# Altium PCB UCL-MB-802154RT-1.PcbDoc (part 2 of 3) (continued)
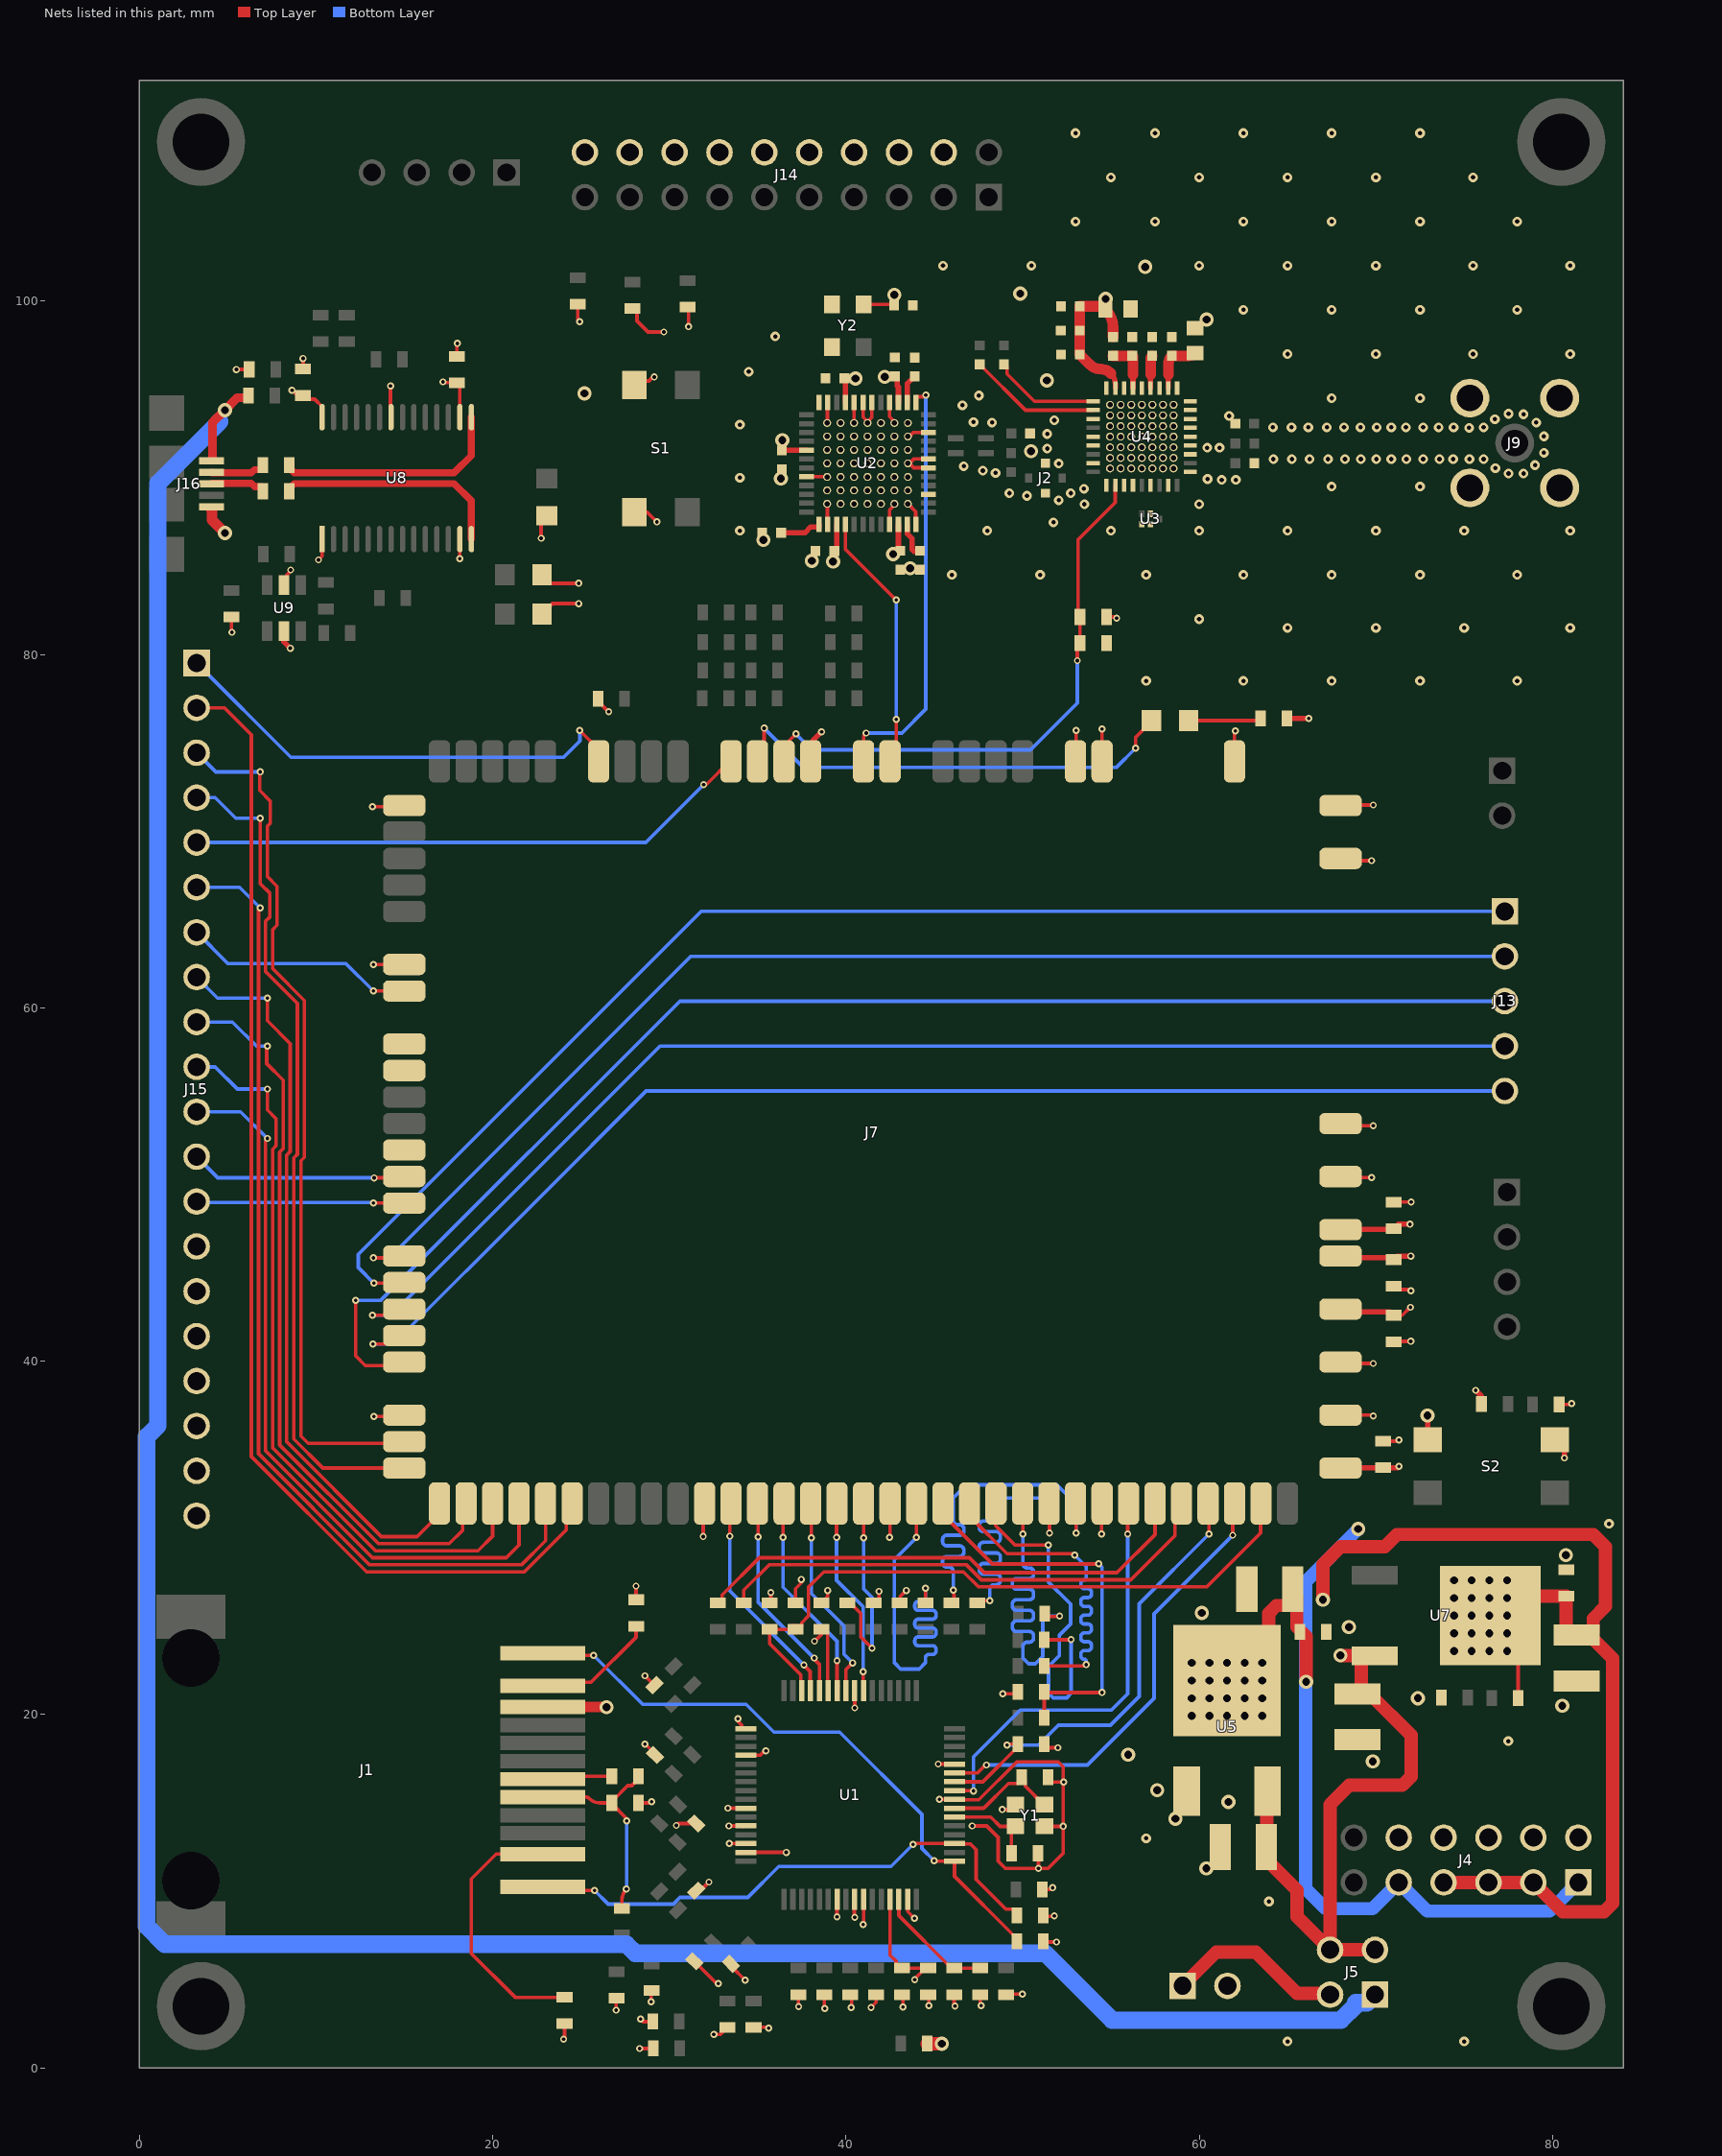
[diagram p4: the nets of this part, all layers, seen from the top]
## Nets (pads, with @x,y where several pads share a name; then routed paths per layer and width w, separated by ;. In a path a pad name is that pad's centre, name@x,y a point inside that pad or via, vN(x,y) a via of type N, cw(c..) or ccw(c..) an arc to the next point about the centre after c; other vN are vias at no path point) (continued)
ETH_MII_COL: J7.59 R33.1 | length 29.1
  Top Layer w0.2: R33.1@34.212,26.325 34.212,27.037 35.65,28.475 46.825,28.475 47.669,27.631 56.131,27.631 58.625,30.125 58.625,31.575 J7.59@59,31.95
ETH_MII_CRS: J7.60 R29.1 | length 29
  Top Layer w0.2: R29.1@32.742,26.325 32.8,26.325 33,26.525 33,26.775 35.1,28.875 46.991,28.875 47.834,28.031 55.347,28.031 57.5,30.184 J7.60@57.5,31.95
ETH_MII_RX_CLK: J7.63 R12.1 | length 20.8
  Top Layer w0.2: R12.1@45.974,26.325 46.125,26.476 46.125,26.75 46.113,26.762 46.113,27.012 v1(46.075,27.05) ; J7.63@53,31.95 53.025,31.925 v1(53.025,30.275)
  Bottom Layer w0.2: v1(46.075,27.05) 46.075,28.05 46.075,28.11 ccw(c45.835,28.11) 45.835,28.35 45.715,28.35 cw(c45.715,28.59) 45.475,28.59 45.475,28.71 cw(c45.715,28.71) 45.715,28.95 46.075,28.95 46.435,28.95 ccw(c46.435,29.19) 46.675,29.19 46.675,29.31 ccw(c46.435,29.31) 46.435,29.55 46.075,29.55 45.715,29.55 cw(c45.715,29.79) 45.475,29.79 45.475,29.91 cw(c45.715,29.91) 45.715,30.15 46.075,30.15 46.435,30.15 ccw(c46.435,30.39) 46.675,30.39 46.675,30.51 ccw(c46.435,30.51) 46.435,30.75 46.315,30.75 cw(c46.315,30.99) 46.075,30.99 46.075,31.1 46.075,32.25 46.825,33 51.95,33 53.025,31.925 v1(53.025,30.275)
ETH_MII_RX_DV: J7.64 R18.1 | length 19.9
  Top Layer w0.2: R18.1@47.445,26.325 47.57,26.45 v1(48.15,26.45) ; J7.64@51.5,31.95 51.525,31.925 v1(51.525,30.275)
  Bottom Layer w0.2: v1(48.15,26.45) 48.15,26.75 48.15,27.11 cw(c48.39,27.11) 48.39,27.35 48.51,27.35 ccw(c48.51,27.59) 48.75,27.59 48.75,27.71 ccw(c48.51,27.71) 48.51,27.95 48.15,27.95 47.79,27.95 cw(c47.79,28.19) 47.55,28.19 47.55,28.31 cw(c47.79,28.31) 47.79,28.55 48.15,28.55 48.51,28.55 ccw(c48.51,28.79) 48.75,28.79 48.75,28.91 ccw(c48.51,28.91) 48.51,29.15 48.15,29.15 47.79,29.15 cw(c47.79,29.39) 47.55,29.39 47.55,29.51 cw(c47.79,29.51) 47.79,29.75 48.15,29.75 48.51,29.75 ccw(c48.51,29.99) 48.75,29.99 48.75,30.11 ccw(c48.51,30.11) 48.51,30.35 48.15,30.35 47.79,30.35 cw(c47.79,30.59) 47.55,30.59 47.55,30.71 cw(c47.79,30.71) 47.79,30.95 48.15,30.95 48.51,30.95 ccw(c48.51,31.19) 48.75,31.19 48.75,31.31 ccw(c48.51,31.31) 48.51,31.55 48.39,31.55 cw(c48.39,31.79) 48.15,31.79 48.15,31.95 48.45,32.25 51.075,32.25 51.525,31.8 v1(51.525,30.275)
ETH_MII_RXD0: J7.65 R17.1 | length 21
  Top Layer w0.2: J7.65@50,31.95 49.95,31.9 50.025,31.825 v1(50.025,30.225) ; R17.1@51.25,25.701 51.401,25.55 52.075,25.55 v1(52.1,25.575)
  Bottom Layer w0.2: v1(50.025,30.225) 50.025,28.7 50.025,28.54 ccw(c50.265,28.54) 50.265,28.3 50.385,28.3 cw(c50.385,28.06) 50.625,28.06 50.625,27.94 cw(c50.385,27.94) 50.385,27.7 50.025,27.7 49.665,27.7 ccw(c49.665,27.46) 49.425,27.46 49.425,27.34 ccw(c49.665,27.34) 49.665,27.1 50.025,27.1 50.385,27.1 cw(c50.385,26.86) 50.625,26.86 50.625,26.74 cw(c50.385,26.74) 50.385,26.5 50.025,26.5 49.665,26.5 ccw(c49.665,26.26) 49.425,26.26 49.425,26.14 ccw(c49.665,26.14) 49.665,25.9 50.025,25.9 50.385,25.9 cw(c50.385,25.66) 50.625,25.66 50.625,25.54 cw(c50.385,25.54) 50.385,25.3 50.025,25.3 49.665,25.3 ccw(c49.665,25.06) 49.425,25.06 49.425,24.94 ccw(c49.665,24.94) 49.665,24.7 50.025,24.7 50.385,24.7 cw(c50.385,24.46) 50.625,24.46 50.625,24.34 cw(c50.385,24.34) 50.385,24.1 50.265,24.1 ccw(c50.265,23.86) 50.025,23.86 50.025,23.5 50.025,23.2 50.35,22.875 50.725,22.875 51.15,23.3 51.15,25.375 51.35,25.575 v1(52.1,25.575)
ETH_MII_RXD1: J7.66 R16.1 | length 20.2
  Top Layer w0.2: J7.66@48.5,31.95 48.475,31.925 48.475,30.7 49.575,29.6 v1(51.45,29.6) ; R16.1@51.225,24.231 52.731,24.231 v1(52.75,24.25)
  Bottom Layer w0.2: v1(51.45,29.6) 51.45,27.525 52.725,26.25 52.725,25.125 52.075,24.475 52.075,23.325 51.475,22.725 51.475,21.2 51.725,20.95 52.5,20.95 52.75,21.2 v1(52.75,24.25)
ETH_MII_RXD2: J7.67 R15.1 | length 20.2
  Top Layer w0.2: J7.67@47,31.95 47.1,31.85 47.1,31.125 49.125,29.1 52.875,29.1 v1(52.95,29.025) ; R15.1@51.225,22.761 51.314,22.761 51.325,22.75 53.525,22.75 v1(53.6,22.825)
  Bottom Layer w0.2: v1(52.95,29.025) 53.6,28.375 53.6,28.125 53.6,27.725 cw(c53.5,27.725) 53.5,27.625 ccw(c53.5,27.425) 53.3,27.425 53.3,27.325 ccw(c53.5,27.325) 53.5,27.125 53.6,27.125 53.7,27.125 cw(c53.7,26.925) 53.9,26.925 53.9,26.825 cw(c53.7,26.825) 53.7,26.625 53.6,26.625 53.5,26.625 ccw(c53.5,26.425) 53.3,26.425 53.3,26.325 ccw(c53.5,26.325) 53.5,26.125 53.6,26.125 53.7,26.125 cw(c53.7,25.925) 53.9,25.925 53.9,25.825 cw(c53.7,25.825) 53.7,25.625 53.6,25.625 53.5,25.625 ccw(c53.5,25.425) 53.3,25.425 53.3,25.325 ccw(c53.5,25.325) 53.5,25.125 53.6,25.125 53.7,25.125 cw(c53.7,24.925) 53.9,24.925 53.9,24.825 cw(c53.7,24.825) 53.7,24.625 53.6,24.625 53.5,24.625 ccw(c53.5,24.425) 53.3,24.425 53.3,24.325 ccw(c53.5,24.325) 53.5,24.125 53.6,24.125 53.7,24.125 cw(c53.7,23.925) 53.9,23.925 53.9,23.825 cw(c53.7,23.825) 53.7,23.625 53.6,23.625 53.5,23.625 ccw(c53.5,23.425) 53.3,23.425 53.3,23.325 ccw(c53.5,23.325) 53.5,23.125 cw(c53.5,23.025) 53.6,23.025 v1(53.6,22.825)
ETH_MII_RXD3: J7.68 R14.1 R20.2 | length 22.7
  Top Layer w0.2: J7.68@45.5,31.95 45.5,31.325 48.3,28.525 54.3,28.525 v1(54.306,28.531) ; R14.1@51.225,19.82 R20.2@51.225,21.291 51.266,21.25 v1(54.5,21.25)
  Bottom Layer w0.2: v1(54.306,28.531) 54.5,28.338 v1(54.5,21.25)
ETH_MII_TX_CLK: J7.71 R25.1 | length 11.7
  Top Layer w0.2: R25.1@40.093,26.325 40.3,26.325 40.325,26.35 40.325,26.243 40.85,25.718 40.85,24.378 v1(41.477,23.751) ; v1(41,30) J7.71@41,31.95
  Bottom Layer w0.2: v1(41,30) 41,27.114 41.477,26.637 v1(41.477,23.751)
ETH_MII_TX_EN: J7.72 U1.39 | length 11.2
  Top Layer w0.2: v1(39.475,30.025) 39.475,31.925 J7.72@39.5,31.95 ; v1(40.975,22.425) 40.975,21.775 41,21.75 U1.39@41,21.35
  Bottom Layer w0.2: v1(39.475,30.025) 39.475,27.6 40.975,26.1 v1(40.975,22.425)
ETH_MII_TX_ER/I\N\T\: J7.56 R26.1 R27.2 U1.46 | length 37.7
  Top Layer w0.2: R26.1@37.003,24.825 R27.2@35.683,24.825 35.683,24.017 37.45,22.25 37.45,21.375 37.475,21.35 U1.46@37.5,21.35 ; R26.1@37.153,24.825 37.175,24.825 37.375,25.025 37.503,25.025 37.503,25.203 37.875,25.575 37.875,27.2 38.75,28.075 46.659,28.075 47.503,27.231 60.431,27.231 63.475,30.275 63.475,31.925 J7.56@63.5,31.95
  Top Layer w0.6: R26.1@37.003,24.825 R26.1@37.153,24.825
ETH_MII_TXD0: J7.73 U1.41 | length 11.7
  Top Layer w0.2: J7.73@38,31.95 38.05,31.9 v1(38.05,30) ; U1.41@40,21.35 40,22.55 v1(40.375,22.925)
  Bottom Layer w0.2: v1(38.05,30) 38.05,26.85 39.9,25 39.9,23.4 v1(40.375,22.925)
ETH_MII_TXD1: J7.74 U1.42 | length 11.9
  Top Layer w0.2: v1(36.45,30.025) 36.45,31.9 J7.74@36.5,31.95 ; U1.42@39.5,21.35 39.5,21.575 39.55,21.625 39.5,21.675 v1(39.5,23.05)
  Bottom Layer w0.2: v1(36.45,30.025) 36.45,27.2 39.5,24.15 v1(39.5,23.05)
ETH_MII_TXD2: J7.75 U1.44 | length 12
  Top Layer w0.2: J7.75@35,31.95 35.025,31.925 v1(35.025,30.05) ; v1(38.2,23.2) 38.2,23.146 38.5,22.846 U1.44@38.5,21.35
  Bottom Layer w0.2: v1(35.025,30.05) 35.025,26.375 v1(38.2,23.2)
ETH_MII_TXD3: J7.76 U1.45 | length 12.6
  Top Layer w0.2: v1(33.425,30.1) 33.425,31.875 J7.76@33.5,31.95 ; v1(37.625,22.8) 37.979,22.446 37.979,21.85 38.004,21.825 38.025,21.825 38,21.8 U1.45@38,21.35
  Bottom Layer w0.2: v1(33.425,30.1) 33.425,27 v1(37.625,22.8)
ETH_R\E\S\E\T\: J7.61 U1.25 | length 24.2
  Top Layer w0.2: U1.25@46.05,15.725 U1.25@46.075,15.7 ; U1.25@46.15,15.7 U1.25@46.075,15.7 ; v1(47.227,15.676) 47.215,15.688 46.087,15.688 U1.25@46.075,15.7 ; v1(55.95,30.225) 55.95,31.9 J7.61@56,31.95
  Bottom Layer w0.2: v1(47.227,15.676) v1(47.227,15.676) 47.225,15.725 47.227,15.727 47.227,17.602 49.875,20.25 55.025,20.25 55.95,21.175 v1(55.95,30.225)
GND: C1.1 C2.1 C3.1 C4.1 C5.1 C6.1 C7.1 C8.1 C9.1 C10.1 C11.1 C12.1 C13.1 C14.1 C15.1 C16.2 C17.2 C18.1 C19.1 C20.1 C22.1 C23.1 C24.1 C25.1 C26.1 C27.1 C28.2 C31.1 C32.1 C33.1 C34.1 C35.2 C36.1 C37.1 C38.1 C39.1 C40.1 C41.1 C42.1 C43.1 C44.1 C45.2 C46.2 C47.1 C48.1 J1.10 J2.3 J2.4 J6.2 J7.3 J7.17 J7.22 J7.35 J7.42 J7.43 J7.44 J7.45 J7.46 J7.47 J7.48 J7.52 J7.53 J7.62 J7.70 J7.77 J9.2 J14.4 J14.6 J14.8 J14.10 J14.12 J14.14 J14.16 J14.18 J14.20 J15.18 J15.19 J15.20 J16.5 R7.1 R9.2 R10.2 R13.2 R20.1 R21.1 R22.1 R23.1 R24.1 R27.1 R34.1 R35.1 R36.1 R37.1 R41.1 R42.1 R47.1 R56.1 R66.1 R67.1 R68.1 R75.1 R79.1 S1.1 S1.2 S2.1 S2.2 U1.7 U1.9 U1.10 U1.15 U1.24 U1.28 U1.40 U1.49 U1.52 U1.58 U1.60 U1.62 U2.3 U2.6 U2.7 U2.10 U2.16 U2.18 U2.19 U2.20 U2.23 U2.24 U2.32 U2.38 U2.45 U2.48 U2.49 U3.2 U3.3 U3.5 U4.0 U4.3 U4.5 U4.6 U4.8 U4.10 U4.12 U4.13 U4.15 U4.17 U4.19 U4.21 U4.22 U4.23 U4.24 U4.25 U4.26 U4.27 U4.28 U4.30 U4.32 U4.34 U4.36 U5.1 U8.1 U8.13 U8.22 U9.2 Y1.2 Y1.4 Y2.1 Y2.2 | length 130
  Top Layer w0.2: J16.5@4.1,88.36 cw(c4.136,88.36) 4.111,88.386 J16.5@4.125,88.4 ; R79.1@5.225,82.125 5.225,81.275 v1(5.25,81.25) ; v1(5.5,96.125) 5.575,96.125 5.58,96.13 R75.1@6.225,96.13 ; C46.2@9.275,96.15 v1(9.275,96.75) ; v1(10.15,85.35) 10.35,85.55 U8.1@10.35,86.525 ; v1(13.2,71.375) 14.925,71.375 J7.22@15,71.45 ; v1(13.25,62.45) 14.025,62.45 14.05,62.475 14.075,62.45 J7.17@15,62.45 ; v1(13.275,36.875) 14.925,36.875 J7.3@15,36.95 ; v1(14.225,95.2) 14.225,93.45 U8.22@14.25,93.425 ; C45.2@17.975,96.875 17.975,97.575 v1(18,97.6) ; v1(18.15,85.425) U8.13@18.15,86.525 ; v1(24.025,1.625) 24.075,1.675 R21.1@24.075,2.5 ; R68.1@24.825,99.825 24.825,98.925 v1(24.925,98.825) ; v1(27,3.275) 27,3.925 C1.1@27.025,3.95 ; R67.1@27.925,99.58 27.975,99.58 28.175,99.38 28.175,98.875 28.8,98.25 v1(29.7,98.25) ; S1.2@28.025,88.05 28.75,88.05 v1(29.3,87.5) ; S1.1@28.025,95.25 28.25,95.475 28.85,95.475 29.075,95.7 v1(29.15,95.7) ; R22.1@28.125,26.5 v1(28.125,27.275) ; C6.1@28.25,15 28.925,15 v1(29,15.075) ; v1(28.325,1.1) 29.075,1.1 C12.1@29.1,1.125 ; v1(28.375,2.775) 28.525,2.625 C13.1@29.075,2.625 ; v1(28.625,18.325) 28.65,18.325 29.195,17.78 C4.1@29.195,17.712 ; v1(28.625,22.2) 29.125,21.7 29.2,21.7 29.167,21.667 C5.1@29.165,21.667 ; v1(28.975,3.75) 28.975,4.35 R37.1@29,4.375 ; v1(30.4,13.725) 30.513,13.838 C3.1@31.523,13.838 ; R66.1@31.05,99.65 31.1,99.6 v1(31.1,98.55) ; C2.1@31.523,10.037 31.762,10.037 v1(32.25,10.525) ; v1(31.925,30.075) 31.925,31.875 J7.77@32,31.95 ; v1(33.325,14.7) U1.58@34.35,14.7 ; v1(33.375,13.7) 34.2,13.7 34.225,13.675 34.25,13.7 U1.60@34.35,13.7 ; v1(33.4,12.7) U1.62@34.35,12.7 ; R7.1@33.5,5.893 33.5,5.775 v1(34.3,4.975) ; v1(33.9,19.775) 33.9,19.6 34.1,19.4 34.1,19.25 34.15,19.2 U1.49@34.35,19.2 ; U1.52@34.35,17.7 35.15,17.7 35.4,17.95 v1(35.475,17.95) ; R34.1@34.775,2.3 35.575,2.3 v1(35.625,2.25) ; R27.1@35.683,26.325 35.75,26.392 v1(35.75,26.9) ; R35.1@37.305,4.175 37.305,3.495 v1(37.325,3.475) ; U2.32@37.774,90.059 37.78,90.053 38.932,90.053 U2.49@38.938,90.047 ; C11.1@38.623,26.325 38.975,26.677 v1(38.975,27.025) ; U2.49@38.938,88.523 38.956,88.505 38.956,87.377 U2.38@38.974,87.359 ; U2.49@38.938,93.095 38.956,93.113 38.956,94.241 U2.23@38.974,94.259 ; v1(39.5,8.55) U1.7@39.5,9.55 ; R36.1@40.245,4.175 40.325,4.095 40.325,3.45 v1(40.3,3.425) ; U2.49@40.462,93.095 40.468,93.101 40.468,94.253 U2.20@40.474,94.259 ; v1(40.5,8.525) 40.475,8.55 40.475,9.5 40.5,9.525 U1.9@40.5,9.55 ; v1(40.5,20.375) U1.40@40.5,21.35 ; U2.19@40.974,94.259 40.974,93.426 U2.49@41.224,93.176 ; v1(40.975,8.125) 41,8.15 41,9.325 U1.10@41,9.55 ; U2.49@41.224,93.095 U2.49@41.224,93.176 ; U2.18@41.474,94.259 41.474,93.426 U2.49@41.224,93.176 ; R10.2@41.564,26.325 41.625,26.325 41.825,26.525 41.875,26.525 v1(41.875,26.975) ; U2.45@42.474,87.359 42.474,88.168 42.748,88.442 U2.49@42.748,88.523 ; U2.16@42.474,94.259 42.474,93.45 42.748,93.176 U2.49@42.748,93.095 ; v1(42.475,30.025) 42.5,30.05 J7.70@42.5,31.95 ; R9.2@43,26.3 R9.2@43.025,26.325 ; R9.2@43.034,26.325 R9.2@43.025,26.325 ; C7.1@43.186,4.2 43.186,4.161 43.175,4.15 43.225,4.1 v1(43.225,3.45) ; v1(43.425,27.025) 43.071,26.671 43.071,26.371 R9.2@43.025,26.325 ; U1.15@43.5,9.55 43.5,8.85 v1(43.875,8.475) ; U2.49@43.51,88.523 43.949,88.084 43.949,87.384 U2.48@43.974,87.359 ; U2.49@43.51,90.809 U2.49@43.591,90.809 ; U2.49@43.51,92.333 43.591,92.333 43.817,92.559 U2.10@44.674,92.559 ; C8.1@44.656,4.15 44.7,4.106 v1(44.7,3.525) ; U2.6@44.674,90.559 43.841,90.559 U2.49@43.591,90.809 ; U2.7@44.674,91.059 43.841,91.059 U2.49@43.591,90.809 ; v1(45.225,17.2) U1.28@46.15,17.2 ; v1@45.303,15.2 U1.24@46.15,15.2 ; C9.1@46.126,4.15 46.126,3.549 v1(46.175,3.5) ; U1.24@46.15,15.2 46.174,15.176 47.526,15.176 49.675,17.325 52.025,17.325 52.3,17.05 v1@52.3,16.175 ; v1(47.15,13.7) 47.975,13.7 48.625,13.05 48.625,11.7 49.025,11.3 v1(50.9,11.3) ; C10.1@47.597,4.15 47.597,3.578 v1(47.65,3.525) ; v1(48.85,14.625) 49.325,14.625 Y1.4@49.6,14.9 ; v1(48.875,21.175) 49.609,21.175 R20.1@49.725,21.291 ; C14.1@50.875,12.15 50.9,12.125 v1(50.9,11.3) ; R13.2@51.125,10.109 51.134,10.1 51.6,10.1 v1(51.7,10.2) ; R24.1@51.175,7.169 51.219,7.125 v1(51.925,7.125) ; R23.1@51.175,8.639 51.311,8.639 51.375,8.575 51.775,8.575 v1(51.8,8.6) ; Y1.2@51.25,13.675 51.275,13.7 51.3,13.675 v1(52.3,13.675) ; C15.1@51.45,16.45 51.45,16.375 51.65,16.175 v1@52.3,16.175 ; J7.42@53,73.95 53.025,73.975 v1(53.025,75.7) ; v1(54.475,30.225) 54.475,31.925 J7.62@54.5,31.95 ; J7.43@54.5,73.95 v1(54.5,75.775) ; U4.21@59.5,91.325 59.575,91.325 U4.21@59.6,91.35 ; J7.44@62,73.95 62,75.625 v1(62.05,75.675) ; C37.1@62.675,27.125 C37.1@62.7,27.1 ; J7.53@68,36.95 69.8,36.95 v1(69.85,36.9) ; J7.52@68,39.95 68.075,39.875 v1(69.85,39.875) ; J7.48@68,50.45 68.05,50.4 v1(69.75,50.4) ; J7.47@68,53.45 68.125,53.325 v1(69.85,53.325) ; J7.46@68,68.45 68.125,68.325 v1(69.75,68.325) ; J7.45@68,71.45 68.025,71.475 v1(69.85,71.475) ; C48.1@70.4,35.475 71.225,35.475 v1(71.3,35.55) ; C43.1@71,41.1 71.025,41.125 v1(71.975,41.125) ; C42.1@71,44.25 71.2,44.05 71.852,44.05 71.924,43.977 v1(71.979,43.977) ; C47.1@71,49 v1(72,49) ; C44.1@80.375,37.55 81.025,37.55 v1(81.075,37.6) ; v1(50.9,11.3) 51.45,11.3 52.3,12.15 v1(52.3,13.675) ; v1(52.3,13.675) v1@52.3,16.175
  Top Layer w0.3: U9.2@8.2,81.325 8.2,81.05 8.175,81.025 8.175,80.725 v1(8.55,80.35) ; J7.35@38,73.95 38.165,74.115 38.165,75.165 v1(38.625,75.625) ; S2.2@72.925,35.55 v3(72.925,36.925) ; S2.1@80.125,35.55 80.675,35 v1(80.675,34.525)
  Top Layer w0.6: 4.1,88.15 4.125,88.125 4.125,87.6 v3(4.85,86.875) ; J1.10@22.85,20.425 v3(26.45,20.425)
  Bottom Layer w0.2: v1@47.15,13.675 v1(47.15,13.7)
  other v1: 45.302,15.201 52.325,16.175
  other v2: 65,1.5 75,1.5 63.95,9.425 57,13 77.5,18.5 83.2,30.8 57,78.5 62.5,78.5 67.5,78.5 72.5,78.5 78,78.5 65,81.5 70,81.5 75,81.5 81,81.5 60,82 46,84.5 51,84.5 57,84.5 62.5,84.5 67.5,84.5 72.5,84.5 78,84.5 34,87 48,87 55,87 60,87 65,87 70,87 75,87 81,87 51.75,87.475 53.5,88.5 60,88.5 52.05,88.725 50.25,88.975 49.25,89.125 52.725,89.125 53.475,89.375 67.5,89.5 72.5,89.5 61.275,89.875 62.075,89.875 60.475,89.925 34,90 77.51,90.24 78.36,90.24 48.475,90.275 47.75,90.4 76.76,90.54 46.675,90.65 79.01,90.715 52.05,90.8 64.2,91.05 65.247,91.05 66.247,91.05 67.297,91.05 68.25,91.05 69.15,91.05 70.025,91.05 70.875,91.05 71.725,91.05 72.675,91.05 73.6,91.05 74.375,91.05 75.3,91.05 76.1,91.05 79.51,91.415 51.4,91.65 60.45,91.7 61.15,91.7 79.51,92.34 51.4,92.475 64.172,92.849 65.222,92.849 66.175,92.849 67.225,92.849 68.2,92.849 69.125,92.849 70.05,92.849 70.875,92.849 71.7,92.849 72.675,92.849 73.55,92.849 74.4,92.849 75.275,92.825 76.1,92.849 34,93 48.275,93.125 79.075,93.125 47.225,93.15 51.8,93.25 76.735,93.315 61.697,93.499 78.36,93.59 77.51,93.615 46.6,94.1 67.5,94.5 72.5,94.5 47.525,94.65 34.5,96 65,97 70,97 75.5,97 81,97 36,98 62.5,99.5 67.5,99.5 72.5,99.5 78,99.5 45.5,102 50.5,102 60,102 65,102 70,102 75.5,102 81,102 53,104.5 57.5,104.5 62.5,104.5 67.5,104.5 72.5,104.5 78,104.5 55,107 60,107 65,107 70,107 75.5,107 53,109.5 57.5,109.5 62.5,109.5 67.5,109.5 72.5,109.5
  other v3: 60.4,11.3 58.648,14.102 61.65,15.05 57.623,15.727 69.823,17.352 55.975,17.725 80.548,20.502 72.373,20.927 68.475,24.95 60.15,25.75 80.748,29.027
  other v4: 43.645,84.87 38.075,85.3 35.324,86.484 36.324,89.959 50.48,91.495 25.2,94.775 51.375,95.5 49.875,100.425 56.949,101.934
GPIO1: J7.28 J15.1 | length 27.1
  Top Layer w0.2: v1(24.925,75.7) 26,74.625 J7.28@26,73.95
  Bottom Layer w0.2: J15.1@3.25,79.515 8.59,74.175 24.025,74.175 24.95,75.1 24.95,75.675 v1(24.925,75.7)
GPIO2: J7.82 J15.2 | length 67.7
  Top Layer w0.2: J15.2@3.25,76.975 4.825,76.975 6.35,75.45 6.35,34.6 12.875,28.075 21.8,28.075 24.175,30.45 24.175,31.625 J7.82@24.5,31.95
GPIO3: J7.2 J15.3 | length 49.2
  Top Layer w0.2: v1(6.85,73.354) 6.817,73.32 6.817,72.308 7.425,71.7 7.425,70.45 7.25,70.275 7.25,67.425 7.8,66.875 7.8,64.671 7.55,64.421 7.55,62.216 9.35,60.415 9.35,51.538 9.15,51.337 9.15,35.76 9.56,35.35 14.125,35.35 14.225,35.45 J7.2@15,35.45
  Bottom Layer w0.2: J15.3@3.25,74.435 4.331,73.354 v1(6.85,73.354)
GPIO4: J7.1 J15.4 | length 47.3
  Top Layer w0.2: v1(6.85,70.728) 6.85,67.025 7.4,66.475 7.4,65.15 7.15,64.9 7.15,62.05 8.95,60.25 8.95,51.703 8.75,51.503 8.75,35.594 10.394,33.95 J7.1@15,33.95
  Bottom Layer w0.2: J15.4@3.25,71.895 4.3,71.895 5.47,70.725 6.847,70.725 v1(6.85,70.728)
GPIO7: J7.32 J15.5 | length 32.3
  Top Layer w0.2: v1(31.95,72.625) 32.1,72.625 J7.32@33.5,74.025 ; J7.32@33.5,73.95 J7.32@33.5,74.025 ; J7.32@33.525,74.05 J7.32@33.5,74.025
  Bottom Layer w0.2: J15.5@3.25,69.355 28.68,69.355 v1(31.95,72.625)
GPIO8: J7.83 J15.6 | length 56.5
  Top Layer w0.2: v1(6.85,65.65) 6.75,65.55 6.75,34.766 13.041,28.475 21.634,28.475 23,29.841 J7.83@23,31.95
  Bottom Layer w0.2: J15.6@3.25,66.815 5.685,66.815 v1(6.85,65.65)
GPIO9: J7.16 J15.7 | length 13.1
  Top Layer w0.2: v1(13.25,60.95) J7.16@15,60.95
  Bottom Layer w0.2: J15.7@3.25,64.275 5.018,62.507 11.693,62.507 v1(13.25,60.95)
GPIO10: J7.87 J15.8 | length 42.2
  Top Layer w0.2: v1(7.25,60.553) 7.25,59.275 8.55,57.975 8.55,51.869 8.35,51.669 8.35,35.428 13.703,30.075 15.725,30.075 17,31.35 J7.87@17,31.95
  Bottom Layer w0.2: J15.8@3.25,61.735 4.435,60.55 7.247,60.55 v1(7.25,60.553)
GPIO11: J7.86 J15.9 | length 42.2
  Top Layer w0.2: v1(7.25,57.828) 7.212,57.79 7.212,56.838 8.15,55.9 8.15,52.035 7.95,51.834 7.95,35.263 13.538,29.675 17.55,29.675 18.3,30.425 18.3,31.75 J7.86@18.5,31.95
  Bottom Layer w0.2: J15.9@3.25,59.195 5.28,59.195 6.647,57.828 v1(7.25,57.828)
GPIO12: J7.85 J15.10 | length 42.2
  Top Layer w0.2: v1(7.25,55.403) 7.25,54.225 7.75,53.725 7.75,52.2 7.55,52 7.55,35.097 13.372,29.275 19.175,29.275 20,30.1 J7.85@20,31.95
  Bottom Layer w0.2: J15.10@3.25,56.655 4.3,56.655 5.555,55.4 7.248,55.4 v1(7.25,55.403)
GPIO13: J7.84 J15.11 | length 41.8
  Top Layer w0.2: v1(7.25,52.603) 7.25,52.548 7.15,52.448 7.15,34.931 13.206,28.875 20.775,28.875 21.5,29.6 J7.84@21.5,31.95
  Bottom Layer w0.2: J15.11@3.25,54.115 5.738,54.115 v1(7.25,52.603)
GPIO16: J7.10 J15.12 | length 12.3
  Top Layer w0.2: v1(13.3,50.375) 14.925,50.375 J7.10@15,50.45
  Bottom Layer w0.2: J15.12@3.25,51.575 4.45,50.375 v1(13.3,50.375)
GPIO17: J7.9 J15.13 | length 11.8
  Top Layer w0.2: v1(13.25,48.95) J7.9@15,48.95
  Bottom Layer w0.2: J15.13@3.25,49.035 3.297,48.988 13.212,48.988 v1(13.25,48.95)
NetC6_2: C6.2 J1.5 R1.2 R8.2 | length 12.6
  Top Layer w0.2: J1.5@22.895,15.345 25.246,15.345 cw(c25.246,15.021) 25.475,15.25 ccw(c26.079,15.854) 26.079,15 C6.2@26.75,15 ; R1.2@27.325,9.025 27.325,9.521 cw(c28.179,9.521) v1(27.575,10.125) ; v1(27.6,13.975) ccw(c27.298,13.975) 27.512,14.188 26.785,14.915 cw(c26.871,15) C6.2@26.75,15 ; R8.2@28.25,16.5 ccw(c28.25,16.319) 28.122,16.447 28.122,16.222 27.875,15.975 27.65,15.975 26.803,15.128 ccw(c26.931,15) C6.2@26.75,15
  Bottom Layer w0.2: v1(27.575,10.125) ccw(c27.515,10.185) 27.6,10.185 v1(27.6,13.975)
NetC9_2: C9.2 C10.2 U1.14 | length 6.8
  Top Layer w0.2: U1.14@43,9.55 43,8.626 45.976,5.65 C9.2@46.126,5.65 C10.2@47.597,5.65
NetC14_2: C14.2 U1.22 Y1.1 | length 5.3
  Top Layer w0.2: U1.22@46.15,14.2 48.2,14.2 48.725,13.675 Y1.1@49.6,13.675 49.375,13.45 C14.2@49.375,12.15
NetC15_2: C15.2 U1.23 Y1.3 | length 6.7
  Top Layer w0.2: U1.23@46.15,14.7 47.8,14.7 49.2,16.1 49.75,16.1 49.95,16.3 C15.2@49.95,16.45 50.15,16.25 50.15,15.95 51.175,14.925 51.25,14.925 Y1.3@51.25,14.9
NetC16_1: C16.1 L2.1 U4.33 | length 2.9
  Top Layer w0.3: U4.33@56.25,95.075 56.25,95.825
  Top Layer w0.6: L2.1@55.125,96.9 C16.1@56.217,96.9 cw(c56.136,96.819) 56.25,96.819 56.25,95.825
NetC17_1: C17.1 L3.1 U4.29 | length 3.2
  Top Layer w0.3: U4.29@58.25,95.075 58.25,95.825
  Top Layer w0.6: 58.25,95.825 58.25,96.415 cw(c58.935,96.415) C17.1@58.451,96.9 59.409,96.9 ccw(c59.409,97.412) L3.1@59.771,97.05
NetC24_2: C24.2 U2.47 | length 1.7
  Top Layer w0.3: U2.47@43.474,87.359 43.474,86.834 43.736,86.572 43.736,85.947 43.841,85.842 43.859,85.824
NetC25_2: C25.2 U2.14 | length 1.6
  Top Layer w0.3: U2.14@43.474,94.259 43.474,95.317 C25.2@43.891,95.734
NetC28_1: C28.1 U4.31 | length 1.8
  Top Layer w0.3: U4.31@57.25,95.075 57.25,95.825
  Top Layer w0.6: 57.25,95.825 57.25,96.698 cw(c57.536,96.698) C28.1@57.334,96.9
NetC31_2: C31.2 U2.37 | length 2.4
  Top Layer w0.3: C31.2@36.329,86.883 37.668,86.883 38.005,87.22 38.474,87.22 U2.37@38.474,87.359
NetD4_1: D4.1 J7.33 | length 26.4
  Top Layer w0.2: J7.33@34.975,73.925 J7.33@35,73.95 35.375,74.325 v1(35.375,75.825) ; v1(56.4,74.7) 56.4,75.3 57.3,76.2 D4.1@57.3,76.25
  Bottom Layer w0.2: v1(35.375,75.825) 37.6,73.6 55.3,73.6 v1(56.4,74.7)
NetD4_2: D4.2 R44.1 | length 4.1
  Top Layer w0.2: D4.2@59.4,76.25 63.35,76.25 R44.1@63.475,76.375
NetJ1_1: J1.1 R23.2 U1.19 | length 31.4
  Top Layer w0.2: J1.1@22.895,10.265 23.11,10.05 v1(25.775,10.05) ; v1(43.8,12.65) 43.85,12.7 45.9,12.7 U1.19@46.15,12.7 46.175,12.675 47.05,12.675 47.375,12.35 47.375,10.675 49.061,8.989 49.475,8.989 49.675,8.789 R23.2@49.675,8.639
  Bottom Layer w0.2: v1(25.775,10.05) 26.55,9.275 30.237,9.275 30.612,9.65 34.45,9.65 36.2,11.4 42.55,11.4 v1(43.8,12.65)
NetJ1_2: J1.2 R21.2 | length 15.2
  Top Layer w0.2: J1.2@22.895,12.105 20.205,12.105 18.8,10.7 18.8,6.475 21.275,4 R21.2@24.075,4
NetJ1_6: J1.6 R8.1 | length 3.9
  Top Layer w0.2: J1.6@22.895,16.365 24.445,16.365 ccw(c24.445,16.655) 24.65,16.45 cw(c24.771,16.329) 24.771,16.5 R8.1@26.75,16.5
NetJ1_11: J1.11 R22.2 | length 7
  Top Layer w0.2: J1.11@22.895,21.645 23.075,21.825 25.575,21.825 28.125,24.375 R22.2@28.125,25
NetJ1_12: J1.12 R24.2 U1.17 | length 35.4
  Top Layer w0.2: J1.12@22.895,23.485 23.03,23.35 v1(25.725,23.35) ; v1(45,11.725) 45.025,11.7 U1.17@46.15,11.7 46.15,10.844 49.5,7.494 49.5,7.15 49.519,7.169 R24.2@49.675,7.169
  Bottom Layer w0.2: v1(25.725,23.35) 28.5,20.575 34.35,20.575 35.925,19 39.65,19 44.3,14.35 44.3,12.425 v1(45,11.725)
NetJ7_4: J7.4 J13.3 | length 78.3
  Top Layer w0.2: v1(12.25,43.45) 12.25,40.3 12.8,39.75 14.8,39.75 J7.4@15,39.95
  Bottom Layer w0.2: v1(12.25,43.45) 13.675,43.45 30.6,60.375 J13.3@77.3,60.375
NetJ7_5: J7.5 J13.5 | length 72
  Top Layer w0.2: v1(13.225,40.975) 14.475,40.975 14.975,41.475 J7.5@15,41.45
  Bottom Layer w0.2: v1(13.225,40.975) 14.375,40.975 22.55,49.15 28.695,55.295 J13.5@77.3,55.295
NetJ7_6: J7.6 J13.4 | length 72.4
  Top Layer w0.2: v1(13.2,42.6) 13.8,42.6 14.2,43 14.275,42.925 14.3,42.95 J7.6@15,42.95
  Bottom Layer w0.2: v1(13.2,42.6) 14.25,42.6 21.1,49.45 29.485,57.835 J13.4@77.3,57.835
NetJ7_7: J7.7 J13.1 | length 76.7
  Top Layer w0.2: v1(13.275,44.425) 14.975,44.425 J7.7@15,44.45
  Bottom Layer w0.2: v1(13.275,44.425) 12.4,45.3 12.4,46.05 31.805,65.455 J13.1@77.3,65.455
NetJ7_8: J7.8 J13.2 | length 72.9
  Top Layer w0.2: v1(13.25,45.85) 14.9,45.85 J7.8@15,45.95
  Bottom Layer w0.2: v1(13.25,45.85) 14.15,45.85 31.215,62.915 J13.2@77.3,62.915
NetJ7_11: J7.11
NetJ7_14: J7.14
NetJ7_15: J7.15